# Allegro board 038RT-9068CJK8E-A100_0921.brd

Outline 690.59 x 488.44 mm; copper layers: TOP, L02_PLANE, L03_SIGNAL, L04_PLANE, L05_SIGNAL, L06_PLANE, L07_SIGNAL, L08_PLANE, L09_SIGNAL, L10_PLANE, L11_SIGNAL, L12_PLANE, L13_SIGNAL, L14_PLANE, L15_SIGNAL, L16_PLANE, L17_SIGNAL, L18_PLANE, L19_SIGNAL, L20_PLANE, L21_SIGNAL, L22_PLANE, L23_POWER, L24_RLY, L25_USER_PWR, L26_RLY, L27_POWER, L28_PLANE, L29_POWER, L30_POWER, L31_PLANE, L32_SIGNAL, L33_PLANE, L34_SIGNAL, L35_PLANE, L36_SIGNAL, L37_PLANE, L38_SIGNAL, L39_PLANE, L40_SIGNAL, L41_PLANE, L42_SIGNAL, L43_PLANE, L44_SIGNAL, L45_PLANE, L46_SIGNAL, L47_PLANE, BOTTOM. Coordinates in mm from the lower left corner of the outline.
Outline path: rectangle 0.3,0 690.3,488.44

## Design rules (mm)
net group DIFFPAIR31: nets SLOT2.CH108 SLOT2.CH109
net group DIFFPAIR32: nets SLOT2.CH46 SLOT2.CH47
net group DIFFPAIR33: nets SLOT2.CH42 SLOT2.CH43
net group DIFFPAIR34: nets SLOT1.CH20 SLOT1.CH21
net group S1_1_P7_HSO: nets S1_1_P7_HSO+ S1_1_P7_HSO-
net group S2_1_P7_HSO: nets S2_1_P7_HSO+ S2_1_P7_HSO-
net group S3_1_P7_HSO: nets S3_1_P7_HSO+ S3_1_P7_HSO-
net group SG0_3_P2_GIGA_MDI: nets SG0_3_P2_GIGA_MDI+ SG0_3_P2_GIGA_MDI-
net group SG1_3_P2_GIGA_MDI: nets SG1_3_P2_GIGA_MDI+ SG1_3_P2_GIGA_MDI-
net group SG2_3_P2_GIGA_MDI: nets SG2_3_P2_GIGA_MDI+ SG2_3_P2_GIGA_MDI-
net group SG3_3_P2_GIGA_MDI: nets SG3_3_P2_GIGA_MDI+ SG3_3_P2_GIGA_MDI-
net group RG1: nets SG0_P0_RXC SG0_P0_RXD0 SG0_P0_RXD1 SG0_P0_RXD2 SG0_P0_RXD3 SG0_P0_RXDV SG0_P0_TXC SG0_P0_TXD0 SG0_P0_TXD1 SG0_P0_TXD2 SG0_P0_TXD3 SG0_P0_TXEN
net group RG2: nets SG1_P0_RXC SG1_P0_RXD0 SG1_P0_RXD1 SG1_P0_RXD2 SG1_P0_RXD3 SG1_P0_RXDV SG1_P0_TXC SG1_P0_TXD0 SG1_P0_TXD1 SG1_P0_TXD2 SG1_P0_TXD3 SG1_P0_TXEN
net group RG3: nets SG2_P0_RXC SG2_P0_RXD0 SG2_P0_RXD1 SG2_P0_RXD2 SG2_P0_RXD3 SG2_P0_RXDV SG2_P0_TXC SG2_P0_TXD0 SG2_P0_TXD1 SG2_P0_TXD2 SG2_P0_TXD3 SG2_P0_TXEN
net group RG4: nets SG3_P0_RXC SG3_P0_RXD0 SG3_P0_RXD1 SG3_P0_RXD2 SG3_P0_RXD3 SG3_P0_RXDV SG3_P0_TXC SG3_P0_TXD0 SG3_P0_TXD1 SG3_P0_TXD2 SG3_P0_TXD3 SG3_P0_TXEN
net group SPI: nets SH01_SPICK SH01_SPICS SH01_SPIO2 SH01_SPIO3 SH01_SPISI SH01_SPISO

## Placement (name value [footprint] x y rotation side)
ATX1  ATX-12X2-MR  [CONN_ATX12X2_4P2MM_MOLEX]  10.81 453.03 90 bottom
ATX_PWCT  HDR-2X1-MR  [JP_2P_100_R90]  27.76 481.59 0 top
BD1  BD80-5A-S8-LA  [FB0805]  285.49 188.87 180 bottom
BD2  BD80-5A-S8-LA  [FB0805]  280.93 187.39 0 bottom
BD5  BD80-5A-S8-LA  [FB0805]  270.38 206.52 270 bottom
BD8  BD80-5A-S8-LA  [FB0805]  270.38 214.39 270 bottom
BD9  BD80-5A-S8-LA  [FB0805]  302.5 202.69 90 bottom
BD10  BD80-5A-S8-LA  [FB0805]  302.5 206.62 270 bottom
BD15  BD220-3A-S8  [FB0805]  231 218.76 180 bottom
BD16  BD220-3A-S8  [FB0805]  266.38 182.25 180 bottom
BD17  BD220-3A-S8  [FB0805]  303.72 182.25 180 bottom
BD18  BD220-3A-S8  [FB0805]  311.16 221.81 180 bottom
BD19  BD80-5A-S8-LA  [FB0805]  285.49 186.33 180 bottom
BD20  BD80-5A-S8-LA  [FB0805]  285.49 183.79 180 bottom
BDB1  BD80-5A-S8-LA  [FB0805]  322.18 58.22 270 top
BDB2  BD80-5A-S8-LA  [FB0805]  325.36 58.22 270 top
BDB3  BD80-5A-S8-LA  [FB0805]  325.36 53.64 270 top
BDB4  BD80-5A-S8-LA  [FB0805]  322.18 53.64 270 top
BDB5  BD80-5A-S8-LA  [FB0805]  325.36 49.07 270 top
BDB6  BD80-5A-S8-LA  [FB0805]  322.18 49.07 270 top
BDB7  BD80-5A-S8-LA  [FB0805]  325.36 44.5 270 top
BDB8  BD80-5A-S8-LA  [FB0805]  322.18 44.5 270 top
BDB23  BD220-3A-S8  [FB0805]  41.84 426.77 0 top
BDB24  BD220-3A-S8  [FB0805]  41.84 429.31 0 top
BDB25  BD220-3A-S8  [FB0805]  41.84 431.85 0 top
BDB26  BD220-3A-S8  [FB0805]  33.62 444.04 270 top
BDB27  BD220-3A-S8  [FB0805]  31.08 444.04 270 top
BDB28  BD220-3A-S8  [FB0805]  28.54 444.04 270 top
BDB29  BD220-3A-S8  [FB0805]  42.29 462.47 270 top
BDB30  BD220-3A-S8  [FB0805]  44.83 462.47 270 top
BDB31  BD220-3A-S8  [FB0805]  39.75 462.47 270 top
BDG1  BD80-5A-S8-LA  [FB0805]  109.94 207.3 270 bottom
BDG2  BD80-5A-S8-LA  [FB0805]  111.43 202.11 90 bottom
BDG5  BD80-5A-S8-LA  [FB0805]  92.3 190.79 0 bottom
BDG8  BD80-5A-S8-LA  [FB0805]  84.42 190.79 0 bottom
BDG9  BD80-5A-S8-LA  [FB0805]  96.42 223.42 180 bottom
BDG10  BD80-5A-S8-LA  [FB0805]  92.48 223.42 0 bottom
BDG15  BD220-3A-S8  [FB0805]  72.88 179.45 180 bottom
BDG16  BD220-3A-S8  [FB0805]  72.88 236.28 180 bottom
BDG17  BD220-3A-S8  [FB0805]  124.32 235.26 0 bottom
BDG18  BD220-3A-S8  [FB0805]  116.9 184.99 90 bottom
BDG19  BD80-5A-S8-LA  [FB0805]  112.48 207.3 270 bottom
BDG20  BD80-5A-S8-LA  [FB0805]  115.02 207.3 270 bottom
BDH11  BD80-5A-S8-LA  [FB0805]  215.44 194.08 0 bottom
BDH12  BD80-5A-S8-LA  [FB0805]  215.44 191.29 0 bottom
BDH13  BD80-5A-S8-LA  [FB0805]  252.05 196.55 180 bottom
BDH14  BD80-5A-S8-LA  [FB0805]  261.93 182.25 180 bottom
BDH21  BD80-5A-S8-LA  [FB0805]  243.85 57.38 270 bottom
BDH22  BD80-5A-S8-LA  [FB0805]  243.85 52.17 90 bottom
BDH23  BD80-5A-S8-LA  [FB0805]  305.83 57.38 270 bottom
BDH24  BD80-5A-S8-LA  [FB0805]  305.83 52.17 90 bottom
BST1  LM5022QDGSTQ1-1A-A-VSSOP10  [VSSOP10_173X05MM]  26.26 393.14 90 top
BST_P45V  HDR-3X1-MR  [JP_3P_100_R90]  15.1 419.74 180 top
C13  47U-35-Y-S6.1X5.3-MU  [CKRM55WR7YA476MH01]  139.21 32.25 90 top
C18  10U-16-X7R-S8-SS  [C0805]  136.21 45.77 0 top
C19  0.1U-16-X7R-S4-TY  [C0402]  135.76 43.55 0 top
C75  18P-50-N-S4-SS  [C0402]  85.84 218.98 180 bottom
C76  18P-50-N-S4-SS  [C0402]  83.81 218.98 0 bottom
C78  0.1U-100-X-S8  [C0805]  156.91 29.76 0 top
C79  NC/10U-100-Y-S6.1X5.3-MU  [CKRM55TR72A106MH01]  158.82 24.68 0 top
C119  1000P-2K-X-SA  [C1206]  49.51 109.07 90 top
C144  10U-16-X7R-S8-SS  [C0805]  42.66 229.6 180 bottom
C145  10U-16-X7R-S8-SS  [C0805]  30.08 236.49 0 bottom
C168  18P-50-N-S4-SS  [C0402]  319.03 214.33 90 bottom
C169  18P-50-N-S4-SS  [C0402]  319.03 212.13 270 bottom
C171  0.01U-50-X7R-S4-YA  [C0402]  57.76 141.31 90 top
C172  1000P-2K-X-SA  [C1206]  49.51 128.61 90 top
C173  10U-16-X7R-S8-SS  [C0805]  24.62 70.8 0 bottom
C174  0.1U-16-X7R-S4-TY  [C0402]  17.72 8.6 270 bottom
C175  0.01U-50-X7R-S4-YA  [C0402]  16.45 8.6 270 bottom
C176  1000P-50-N-S4-SS  [C0402]  22.08 40.96 270 bottom
C177  0.01U-50-X7R-S4-YA  [C0402]  19.54 40.96 270 bottom
C178  0.1U-16-X7R-S4-TY  [C0402]  20.81 40.96 270 bottom
C179  0.1U-50-X-S6  [C0603]  59.78 191.67 180 top
C180  0.1U-50-X-S6  [C0603]  59.78 193.07 180 top
C181  4700P-50-X7R-S4-YA  [C0402]  57.22 194.34 0 top
C182  4700P-50-X7R-S4-YA  [C0402]  57.22 190.4 0 top
C183  0.1U-50-X-S6  [C0603]  59.78 186.46 180 top
C184  0.1U-50-X-S6  [C0603]  59.78 187.86 180 top
C185  10U-16-X7R-S8-SS  [C0805]  137.02 214.03 0 bottom
C194  4700P-50-X7R-S4-YA  [C0402]  238.41 206.82 180 bottom
C195  0.1U-50-X-S6  [C0603]  243.12 206.82 180 bottom
C196  0.1U-50-X-S6  [C0603]  243.12 205.42 180 bottom
C197  4700P-50-X7R-S4-YA  [C0402]  250.6 201.86 0 bottom
C198  0.1U-50-X-S6  [C0603]  245.89 201.86 0 bottom
C199  0.1U-50-X-S6  [C0603]  245.89 203.27 0 bottom
C209  10U-16-X7R-S8-SS  [C0805]  21.13 84.14 270 bottom
C213  10U-16-X7R-S8-SS  [C0805]  251.27 182.08 0 bottom
C214  10U-16-X7R-S8-SS  [C0805]  229.05 182.08 0 bottom
C217  10U-16-X7R-S8-SS  [C0805]  137.02 197.88 0 bottom
C220  10U-16-X7R-S8-SS  [C0805]  21.13 125.41 90 bottom
C292  100U-35-E-S6.3X7.7-NI  [EC_6P3X7P7MM_S]  126.57 43.58 270 top
C319  0.01U-50-X7R-S4-YA  [C0402]  22.08 45.09 270 bottom
C320  0.1U-16-X7R-S4-TY  [C0402]  20.81 45.09 270 bottom
C321  1000P-50-N-S4-SS  [C0402]  19.54 73.34 270 bottom
C322  0.01U-50-X7R-S4-YA  [C0402]  22.08 73.34 270 bottom
C323  0.1U-16-X7R-S4-TY  [C0402]  20.81 73.34 270 bottom
C324  0.01U-50-X7R-S4-YA  [C0402]  57.76 121.77 90 top
C325  NC/100U-100-E-S17.2X17.2-PAN  [ECS_19P1X19P1MM]  32.4 11.57 270 top
C375  4700P-50-X7R-S4-YA  [C0402]  250.6 209.48 0 bottom
C376  0.1U-50-X-S6  [C0603]  245.89 209.48 0 bottom
C377  0.1U-50-X-S6  [C0603]  245.89 210.89 0 bottom
C379  4700P-50-X7R-S4-YA  [C0402]  238.41 214.44 180 bottom
C381  0.1U-50-X-S6  [C0603]  243.12 213.04 180 bottom
C383  0.1U-50-X-S6  [C0603]  243.12 214.44 180 bottom
C384  0.1U-50-X-S6  [C0603]  286.49 224.71 90 bottom
C385  0.1U-50-X-S6  [C0603]  287.9 224.71 90 bottom
C391  4700P-50-X-S6  [C0603]  285.64 230.56 180 bottom
C399  4700P-50-X7R-S4-YA  [C0402]  72.02 205.04 0 bottom
C401  0.1U-50-X-S6  [C0603]  74.57 199.07 180 bottom
C402  0.1U-50-X-S6  [C0603]  74.57 202.37 180 bottom
C405  0.1U-50-X-S6  [C0603]  74.57 197.67 180 bottom
C406  4700P-50-X7R-S4-YA  [C0402]  72.02 200.34 0 bottom
C407  0.1U-50-X-S6  [C0603]  74.57 203.77 180 bottom
C412  0.1U-50-X-S6  [C0603]  293.1 224.71 90 bottom
C413  0.1U-50-X-S6  [C0603]  294.5 224.71 90 bottom
C418  4700P-50-X-S6  [C0603]  292.25 230.56 180 bottom
C421  0.1U-50-X-S6  [C0603]  54.86 209.92 180 top
C422  0.1U-50-X-S6  [C0603]  54.86 211.32 180 top
C427  4700P-50-X-S6  [C0603]  48.22 209.92 180 top
C430  0.1U-50-X-S6  [C0603]  54.86 214.56 180 top
C431  0.1U-50-X-S6  [C0603]  54.86 215.96 180 top
C436  4700P-50-X-S6  [C0603]  48.22 214.56 180 top
C439  NC/4.7P-50-N-S4-MU  [C0402]  21.06 243.93 0 top
C440  NC/4.7P-50-N-S4-MU  [C0402]  14.06 243.93 0 top
C441  NC/4.7P-50-N-S4-MU  [C0402]  21.06 224.88 0 top
C442  NC/4.7P-50-N-S4-MU  [C0402]  14.06 224.88 0 top
CA1  220U-25-E-S11.2X10.5-NI  [ECS_10P3X10P3MM]  43.47 452.96 0 top
CA2  220U-25-E-S11.2X10.5-NI  [ECS_10P3X10P3MM]  42.39 439.55 90 top
CA3  220U-25-E-S11.2X10.5-NI  [ECS_10P3X10P3MM]  53.57 427.88 90 top
CA4  220U-25-E-S11.2X10.5-NI  [ECS_10P3X10P3MM]  43.47 471.66 180 top
CA5  220U-25-E-S11.2X10.5-NI  [ECS_10P3X10P3MM]  30.4 454.56 180 top
CA6  220U-25-E-S11.2X10.5-NI  [ECS_10P3X10P3MM]  29.9 428.85 180 top
CA11  220U-25-E-S11.2X10.5-NI  [ECS_10P3X10P3MM]  30.14 473.4 90 top
CB243  10U-25-X7R-SA  [C1206]  45.49 422.3 270 top
CB244  0.1U-50-X-S4-TDK  [C0402]  42.68 422.79 270 top
CB246  10U-16-X7R-S8-SS  [C0805]  23.87 441.13 180 top
CB247  0.1U-16-X7R-S4-TY  [C0402]  23.87 443.16 180 top
CB249  10U-16-X7R-S8-SS  [C0805]  47.37 462.47 90 top
CB250  0.1U-16-X7R-S4-TY  [C0402]  49.28 462.47 90 top
CB253  10U-25-X7R-SA  [C1206]  37.94 422.28 270 top
CB254  NC/0.1U-50-X-S4-TDK  [C0402]  40.85 422.79 270 top
CB256  10U-16-X7R-S8-SS  [C0805]  37.21 462.47 270 top
CB257  0.1U-16-X7R-S4-TY  [C0402]  35.28 462.61 270 top
CB259  10U-16-X7R-S8-SS  [C0805]  23.87 446.97 180 top
CB260  0.1U-16-X7R-S4-TY  [C0402]  23.87 444.94 180 top
CBB0  10U-25-X7R-SA  [C1206]  637.66 22.53 90 top
CBB1  10U-25-X7R-SA  [C1206]  634.87 22.53 90 top
CBB2  10U-25-X7R-SA  [C1206]  632.07 22.53 90 top
CBB3  10U-25-X7R-SA  [C1206]  629.28 22.53 90 top
CBB4  10U-25-X7R-SA  [C1206]  626.49 22.53 90 top
CBB5  10U-25-X7R-SA  [C1206]  623.69 22.53 90 top
CBB6  4.7U-100-X-SB-MU  [C1210]  620.17 22.22 90 top
CC1  560P-50-X7R-SA-YA  [C1206_H49]  27.53 386.47 180 top
CC2  0.15U-50-X7R-SA-KEMET  [C1206_H49]  27.53 383.61 180 top
CD1  0.1U-16-X7R-S4-TY  [C0402_UNBGA_V2]  284.1 208.62 0 bottom
CD2  0.1U-16-X7R-S4-TY  [C0402_UNBGA_V2]  284.9 207.82 0 bottom
CD3  0.1U-16-X7R-S4-TY  [C0402_UNBGA_V2]  284.9 207.02 0 bottom
CD4  0.1U-16-X7R-S4-TY  [C0402_UNBGA_V2]  284.9 206.22 0 bottom
CD5  0.1U-16-X7R-S4-TY  [C0402_UNBGA_V2]  284.9 205.42 0 bottom
CD6  0.1U-16-X7R-S4-TY  [C0402_UNBGA_V2]  286.1 203.42 270 bottom
CD7  2.2U-10-X7S-S4-MU  [C0402_UNBGA_V2]  286.9 203.42 270 bottom
CD8  2.2U-10-X7S-S4-MU  [C0402_UNBGA_V2]  284.5 211.42 270 bottom
CD9  0.1U-16-X7R-S4-TY  [C0402_UNBGA_V2]  286.1 205.02 90 bottom
CD10  0.1U-16-X7R-S4-TY  [C0402_UNBGA_V2]  284.5 209.82 90 bottom
CD11  0.1U-16-X7R-S4-TY  [C0402_UNBGA_V2]  285.3 209.02 270 bottom
CD12  0.1U-16-X7R-S4-TY  [C0402_UNBGA_V2]  285.3 211.42 270 bottom
CD13  0.1U-16-X7R-S4-TY  [C0402_UNBGA_V2]  285.3 203.42 270 bottom
CD14  0.1U-16-X7R-S4-TY  [C0402_UNBGA_V2]  286.1 209.02 270 bottom
CD15  0.1U-16-X7R-S4-TY  [C0402_UNBGA_V2]  285.53 194.75 180 bottom
CD16  2.2U-10-X7S-S4-MU  [C0402_UNBGA_V2]  280.1 207.82 0 bottom
CD17  0.1U-16-X7R-S4-TY  [C0402_UNBGA_V2]  279.7 206.62 270 bottom
CD18  2.2U-10-X7S-S4-MU  [C0402_UNBGA_V2]  286.9 211.42 270 bottom
CD19  0.1U-16-X7R-S4-TY  [C0402_UNBGA_V2]  285.53 193.92 180 bottom
CD20  10U-16-X7R-S8-SS  [C0805]  166.78 24.13 180 top
CD21  10U-16-X7R-S8-SS  [C0805]  171.86 43.18 180 top
CD22  47U-10-X7R-SB-MU  [C1210]  166.78 28.57 90 top
CD23  47U-10-X7R-SB-MU  [C1210]  171.86 28.57 90 top
CD24  NC/100U-16-T-SC  [CODE_C]  171.86 36.83 90 top
CD25  NC/100U-16-T-SC  [CODE_C]  166.78 36.83 90 top
CD26  0.1U-16-X7R-S4-TY  [C0402_UNBGA_V2]  288.9 211.02 180 bottom
CD27  0.1U-16-X7R-S4-TY  [C0402_UNBGA_V2]  284.1 213.42 0 bottom
CD28  0.1U-16-X7R-S4-TY  [C0402_UNBGA_V2]  283.7 211.42 90 bottom
CD29  0.1U-16-X7R-S4-TY  [C0402_UNBGA_V2]  283.7 200.22 90 bottom
CD30  0.1U-16-X7R-S4-TY  [C0402_UNBGA_V2]  286.9 209.82 90 bottom
CD31  0.1U-16-X7R-S4-TY  [C0402_UNBGA_V2]  290.5 210.22 0 bottom
CD32  0.1U-16-X7R-S4-TY  [C0402_UNBGA_V2]  288.9 210.22 180 bottom
CD33  0.1U-16-X7R-S4-TY  [C0402_UNBGA_V2]  286.1 200.22 90 bottom
CD34  0.1U-16-X7R-S4-TY  [C0402_UNBGA_V2]  287.7 201.82 90 bottom
CD35  0.1U-16-X7R-S4-TY  [C0402_UNBGA_V2]  281.3 200.22 90 bottom
CD36  0.1U-16-X7R-S4-TY  [C0402_UNBGA_V2]  287.7 209.82 90 bottom
CD37  0.1U-16-X7R-S4-TY  [C0402_UNBGA_V2]  286.9 201.02 90 bottom
CD38  0.1U-16-X7R-S4-TY  [C0402_UNBGA_V2]  288.9 211.82 180 bottom
CD39  2.2U-10-X7S-S4-MU  [C0402_UNBGA_V2]  288.5 201.82 90 bottom
CD40  2.2U-10-X7S-S4-MU  [C0402_UNBGA_V2]  290.1 211.42 90 bottom
CD41  2.2U-10-X7S-S4-MU  [C0402_UNBGA_V2]  280.5 200.22 90 bottom
CD42  0.1U-16-X7R-S4-TY  [C0402_UNBGA_V2]  282.9 201.02 90 bottom
CD43  2.2U-10-X7S-S4-MU  [C0402_UNBGA_V2]  280.1 210.22 180 bottom
CD44  0.1U-16-X7R-S4-TY  [C0402_UNBGA_V2]  285.3 200.22 90 bottom
CD45  10U-16-X7R-S8-SS  [C0805]  182.07 34.49 0 top
CD46  10U-16-X7R-S8-SS  [C0805]  182.07 37.01 0 top
CD47  47U-10-X7R-SB-MU  [C1210]  177.19 38.91 180 top
CD48  NC/100U-16-T-SC  [CODE_C]  178.84 29.51 180 top
CD49  47U-10-X7R-SB-MU  [C1210]  177.19 34.34 180 top
CD50  NC/100U-16-T-SC  [CODE_C]  178.84 25.07 180 top
CD51  0.1U-16-X7R-S4-TY  [C0402_UNBGA_V2]  290.5 208.62 0 bottom
CD52  0.1U-16-X7R-S4-TY  [C0402_UNBGA_V2]  287.7 212.22 270 bottom
CD53  0.1U-16-X7R-S4-TY  [C0402_UNBGA_V2]  290.5 209.42 0 bottom
CD54  0.1U-16-X7R-S4-TY  [C0402_UNBGA_V2]  290.9 212.22 270 bottom
CD55  0.1U-16-X7R-S4-TY  [C0402_UNBGA_V2]  281.3 211.42 90 bottom
CD56  0.1U-16-X7R-S4-TY  [C0402_UNBGA_V2]  282.1 211.42 90 bottom
CD57  2.2U-10-X7S-S4-MU  [C0402_UNBGA_V2]  288.5 213.02 90 bottom
CD58  0.1U-16-X7R-S4-TY  [C0402_UNBGA_V2]  282.9 211.42 90 bottom
CD59  0.1U-16-X7R-S4-TY  [C0402_UNBGA_V2]  288.9 208.62 180 bottom
CD60  0.1U-16-X7R-S4-TY  [C0402_UNBGA_V2]  289.3 201.02 270 bottom
CD61  2.2U-10-X7S-S4-MU  [C0402_UNBGA_V2]  286.5 212.62 180 bottom
CD62  2.2U-10-X7S-S4-MU  [C0402_UNBGA_V2]  280.1 211.02 180 bottom
CD63  2.2U-10-X7S-S4-MU  [C0402_UNBGA_V2]  291.7 212.22 270 bottom
CD64  2.2U-10-X7S-S4-MU  [C0402_UNBGA_V2]  284.5 201.02 270 bottom
CD65  2.2U-10-X7S-S4-MU  [C0402_UNBGA_V2]  288.9 209.42 180 bottom
CD66  2.2U-10-X7S-S4-MU  [C0402_UNBGA_V2]  280.1 211.82 180 bottom
CD67  2.2U-10-X7S-S4-MU  [C0402_UNBGA_V2]  290.1 201.02 270 bottom
CD68  0.1U-16-X7R-S4-TY  [C0402_UNBGA_V2]  282.1 209.82 270 bottom
CD69  2.2U-10-X7S-S4-MU  [C0402_UNBGA_V2]  285.7 210.22 180 bottom
CD70  2.2U-10-X7S-S4-MU  [C0402_UNBGA_V2]  285.3 201.82 90 bottom
CD71  0.1U-16-X7R-S4-TY  [C0402_UNBGA_V2]  282.9 209.82 270 bottom
CD72  0.1U-16-X7R-S4-TY  [C0402_UNBGA_V2]  281.7 208.62 0 bottom
CD73  0.1U-16-X7R-S4-TY  [C0402_UNBGA_V2]  283.7 209.82 90 bottom
CD74  10U-16-X7R-S8-SS  [C0805]  266.09 202.71 270 bottom
CD75  10U-16-X7R-S8-SS  [C0805]  323.86 24.38 180 top
CD76  47U-10-X7R-SB-MU  [C1210]  328.94 28.83 90 top
CD77  NC/100U-16-T-SC  [CODE_C]  328.94 37.08 90 top
CD78  47U-10-X7R-SB-MU  [C1210]  334.02 28.83 90 top
CD79  NC/100U-16-T-SC  [CODE_C]  334.02 37.08 90 top
CD80  1U-16-X-S6-TY  [C0603]  285.52 192.77 180 bottom
CD81  10U-16-X7R-S8-SS  [C0805]  285.49 191.02 180 bottom
CD82  1U-16-X-S6-TY  [C0603]  280.93 191.29 0 bottom
CD83  0.1U-16-X7R-S4-TY  [C0402_UNBGA_V2]  288.1 204.62 0 bottom
CD84  0.1U-16-X7R-S4-TY  [C0402_UNBGA_V2]  287.7 203.42 270 bottom
CD85  0.1U-16-X7R-S4-TY  [C0402_UNBGA_V2]  288.5 203.42 270 bottom
CD86  10U-16-X7R-S8-SS  [C0805]  280.9 189.53 0 bottom
CD87  1U-16-X-S6-TY  [C0603]  274.28 202.7 90 bottom
CD88  10U-16-X7R-S8-SS  [C0805]  272.53 202.73 90 bottom
CD89  0.1U-16-X7R-S4-TY  [C0402_UNBGA_V2]  295.15 190.4 180 bottom
CD90  1U-16-X-S6-TY  [C0603]  274.28 206.51 270 bottom
CD91  0.1U-16-X7R-S4-TY  [C0402_UNBGA_V2]  288.1 200.59 180 bottom
CD92  0.1U-16-X7R-S4-TY  [C0402_UNBGA_V2]  290.9 204.22 90 bottom
CD93  10U-16-X7R-S8-SS  [C0805]  334.02 24.38 180 top
CD94  10U-16-X7R-S8-SS  [C0805]  295.13 181.7 0 bottom
CD95  47U-10-X7R-SB-MU  [C1210]  318.68 45.09 90 top
CD96  10U-16-X7R-S8-SS  [C0805]  272.53 206.54 270 bottom
CD97  47U-10-X7R-SB-MU  [C1210]  318.68 51.44 90 top
CD98  1U-16-X-S6-TY  [C0603]  291.11 191.32 180 bottom
CD99  10U-16-X7R-S8-SS  [C0805]  291.08 189.57 180 bottom
CD100  1U-16-X-S6-TY  [C0603]  295.14 189.26 180 bottom
CD104  1U-16-X-S6-TY  [C0603]  274.28 214.38 270 bottom
CD105  10U-16-X7R-S8-SS  [C0805]  272.53 214.41 270 bottom
CD106  1U-16-X-S6-TY  [C0603]  298.6 202.7 90 bottom
CD107  10U-16-X7R-S8-SS  [C0805]  300.35 202.67 90 bottom
CD108  10U-16-X7R-S8-SS  [C0805]  275.58 189.53 180 bottom
CD109  1U-16-X-S6-TY  [C0603]  285.49 181.57 0 bottom
CD110  1U-16-X-S6-TY  [C0603]  280.93 185.5 180 bottom
CD111  1U-16-X-S6-TY  [C0603]  268.11 202.71 270 bottom
CD112  1U-16-X-S6-TY  [C0603]  295.13 183.46 0 bottom
CD113  1U-10-X7R-S8  [C0805]  268.11 206.52 90 bottom
CD114  22U-10-X7S-S8-TDK  [C0805]  272.25 210.13 180 bottom
CD115  10U-16-X7R-S8-SS  [C0805]  266.09 206.52 90 bottom
CD116  10U-16-X7R-S8-SS  [C0805]  328.94 24.38 180 top
CD117  NC/100U-16-T-SC  [CODE_C]  328.94 52.96 90 top
CD118  47U-10-X7R-SB-MU  [C1210]  334.02 44.7 90 top
CD119  47U-10-X7R-SB-MU  [C1210]  328.94 44.7 90 top
CD120  NC/100U-16-T-SC  [CODE_C]  334.02 52.96 90 top
CD121  10U-16-X7R-S8-SS  [C0805]  313.7 24.38 180 top
CD122  10U-16-X7R-S8-SS  [C0805]  308.62 24.38 180 top
CD123  47U-10-X7R-SB-MU  [C1210]  313.7 28.83 90 top
CD124  NC/100U-16-T-SC  [CODE_C]  308.62 37.08 90 top
CD125  47U-10-X7R-SB-MU  [C1210]  308.62 28.83 90 top
CD126  NC/100U-16-T-SC  [CODE_C]  313.7 37.08 90 top
CD127  0.1U-16-X7R-S4-TY  [C0402_UNBGA_V2]  282.5 205.42 180 bottom
CD128  0.1U-16-X7R-S4-TY  [C0402_UNBGA_V2]  284.1 203.02 180 bottom
CD129  0.1U-16-X7R-S4-TY  [C0402_UNBGA_V2]  282.1 202.62 90 bottom
CD130  0.1U-16-X7R-S4-TY  [C0402_UNBGA_V2]  282.1 204.22 270 bottom
CD131  0.1U-16-X7R-S4-TY  [C0402_UNBGA_V2]  279.7 204.22 270 bottom
CD132  0.1U-16-X7R-S4-TY  [C0402_UNBGA_V2]  279.7 202.62 270 bottom
CD133  0.1U-16-X7R-S4-TY  [C0402_UNBGA_V2]  279.7 201.02 270 bottom
CD134  2.2U-10-X7S-S4-MU  [C0402_UNBGA_V2]  282.1 201.02 270 bottom
CD135  1U-16-X-S6-TY  [C0603]  275.6 183.46 0 bottom
CD136  2.2U-10-X7S-S4-MU  [C0402_UNBGA_V2]  277.7 209.42 180 bottom
CD137  0.1U-16-X7R-S4-TY  [C0402_UNBGA_V2]  279.3 209.42 0 bottom
CD138  0.1U-16-X7R-S4-TY  [C0402_UNBGA_V2]  277.3 213.02 90 bottom
CD139  0.1U-16-X7R-S4-TY  [C0402_UNBGA_V2]  278.5 212.62 0 bottom
CD140  1U-16-X-S6-TY  [C0603]  298.6 206.64 270 bottom
CD141  10U-16-X7R-S8-SS  [C0805]  300.35 206.61 270 bottom
CD142  10U-16-X7R-S8-SS  [C0805]  295.11 187.5 180 bottom
CD143  1U-16-X-S6-TY  [C0603]  275.61 191.29 180 bottom
CD144  1U-16-X-S6-TY  [C0603]  268.11 214.39 90 bottom
CD145  2.2U-10-X7S-S4-MU  [C0402_UNBGA_V2]  292.9 202.22 0 bottom
CD146  0.1U-16-X7R-S4-TY  [C0402_UNBGA_V2]  297.46 202.71 90 bottom
CD147  0.1U-16-X7R-S4-TY  [C0402_UNBGA_V2]  290.9 202.62 90 bottom
CD148  0.1U-16-X7R-S4-TY  [C0402_UNBGA_V2]  291.3 201.42 180 bottom
CD149  1U-16-X-S6-TY  [C0603]  304.39 202.69 270 bottom
CD150  2.2U-10-X7S-S4-MU  [C0402_UNBGA_V2]  292.9 207.82 0 bottom
CD151  0.1U-16-X7R-S4-TY  [C0402_UNBGA_V2]  291.3 207.82 180 bottom
CD152  0.1U-16-X7R-S4-TY  [C0402_UNBGA_V2]  291.3 211.02 180 bottom
CD154  1U-16-X-S6-TY  [C0603]  304.39 206.62 90 bottom
CD155  10U-16-X7R-S8-SS  [C0805]  291.09 183.76 0 bottom
CD156  10U-16-X7R-S8-SS  [C0805]  318.78 24.38 180 top
CD157  NC/100U-16-T-SC  [CODE_C]  318.78 37.08 90 top
CD158  47U-10-X7R-SB-MU  [C1210]  318.78 28.83 90 top
CD159  47U-10-X7R-SB-MU  [C1210]  323.86 28.83 90 top
CD160  NC/100U-16-T-SC  [CODE_C]  323.86 37.08 90 top
CD161  2.2U-10-X7S-S4-MU  [C0402_UNBGA_V2]  286.5 207.82 180 bottom
CD162  0.1U-16-X7R-S4-TY  [C0402_UNBGA_V2]  286.5 207.02 180 bottom
CD163  0.1U-16-X7R-S4-TY  [C0402_UNBGA_V2]  282.5 207.02 180 bottom
CD164  0.1U-16-X7R-S4-TY  [C0402_UNBGA_V2]  282.5 206.22 180 bottom
CD165  0.1U-16-X7R-S4-TY  [C0402_UNBGA_V2]  288.1 207.02 0 bottom
CD166  0.1U-16-X7R-S4-TY  [C0402_UNBGA_V2]  288.1 207.82 0 bottom
CD167  1U-16-X-S6-TY  [C0603]  291.09 185.53 0 bottom
CD168  22U-10-X7S-S8-TDK  [C0805]  231 222.25 180 bottom
CD169  10U-16-X7R-S8-SS  [C0805]  171.86 24.13 180 top
CD170  10U-16-X7R-S8-SS  [C0805]  166.78 43.18 180 top
CD171  47U-10-X7R-SB-MU  [C1210]  171.86 47.62 90 top
CD172  NC/100U-16-T-SC  [CODE_C]  166.78 55.88 90 top
CD173  47U-10-X7R-SB-MU  [C1210]  166.78 47.62 90 top
CD174  NC/100U-16-T-SC  [CODE_C]  171.86 55.88 90 top
CD175  0.1U-16-X7R-S4-TY  [C0402]  189.48 241.24 90 bottom
CD176  0.1U-16-X7R-S4-TY  [C0402]  200.09 241.24 90 bottom
CD177  0.1U-16-X7R-S4-TY  [C0402]  210.66 241.24 90 bottom
CD178  10U-16-X7R-S8-SS  [C0805]  280.93 181.7 180 bottom
CD179  10U-16-X7R-S8-SS  [C0805]  280.93 183.73 180 bottom
CD180  10U-16-X7R-S8-SS  [C0805]  275.6 181.7 0 bottom
CD181  10U-16-X7R-S8-SS  [C0805]  266.09 214.39 90 bottom
CD182  10U-16-X7R-S8-SS  [C0805]  306.3 202.69 270 bottom
CD183  10U-16-X7R-S8-SS  [C0805]  306.3 206.62 90 bottom
CF1  0.1U-50-X-S4-TDK  [C0402]  30.53 386.49 270 top
CG1  0.1U-16-X7R-S4-TY  [C0402_UNBGA_V2]  90.2 205.02 90 bottom
CG2  0.1U-16-X7R-S4-TY  [C0402_UNBGA_V2]  91 205.82 90 bottom
CG3  0.1U-16-X7R-S4-TY  [C0402_UNBGA_V2]  91.8 205.82 90 bottom
CG4  0.1U-16-X7R-S4-TY  [C0402_UNBGA_V2]  92.6 205.82 90 bottom
CG5  0.1U-16-X7R-S4-TY  [C0402_UNBGA_V2]  93.4 205.82 90 bottom
CG6  0.1U-16-X7R-S4-TY  [C0402_UNBGA_V2]  95.4 207.02 0 bottom
CG7  2.2U-10-X7S-S4-MU  [C0402_UNBGA_V2]  95.4 207.82 0 bottom
CG8  2.2U-10-X7S-S4-MU  [C0402_UNBGA_V2]  87.4 205.42 0 bottom
CG9  0.1U-16-X7R-S4-TY  [C0402_UNBGA_V2]  93.8 207.02 180 bottom
CG10  0.1U-16-X7R-S4-TY  [C0402_UNBGA_V2]  89 205.42 180 bottom
CG11  0.1U-16-X7R-S4-TY  [C0402_UNBGA_V2]  89.8 206.22 0 bottom
CG12  0.1U-16-X7R-S4-TY  [C0402_UNBGA_V2]  87.4 206.22 0 bottom
CG13  0.1U-16-X7R-S4-TY  [C0402_UNBGA_V2]  95.4 206.22 0 bottom
CG14  0.1U-16-X7R-S4-TY  [C0402_UNBGA_V2]  89.8 207.02 0 bottom
CG15  0.1U-16-X7R-S4-TY  [C0402_UNBGA_V2]  104.07 207.34 270 bottom
CG16  2.2U-10-X7S-S4-MU  [C0402_UNBGA_V2]  91 201.02 90 bottom
CG17  0.1U-16-X7R-S4-TY  [C0402_UNBGA_V2]  92.2 200.62 0 bottom
CG18  2.2U-10-X7S-S4-MU  [C0402_UNBGA_V2]  87.4 207.82 0 bottom
CG19  0.1U-16-X7R-S4-TY  [C0402_UNBGA_V2]  104.9 207.34 270 bottom
CG20  10U-16-X7R-S8-SS  [C0805]  73.52 142.88 180 top
CG21  10U-16-X7R-S8-SS  [C0805]  79.87 142.88 180 top
CG22  47U-10-X7R-SB-MU  [C1210]  73.52 138.43 270 top
CG23  47U-10-X7R-SB-MU  [C1210]  79.87 138.43 270 top
CG24  NC/100U-16-T-SC  [CODE_C]  79.87 130.18 270 top
CG25  NC/100U-16-T-SC  [CODE_C]  73.52 130.18 270 top
CG26  0.1U-16-X7R-S4-TY  [C0402_UNBGA_V2]  88.6 201.02 270 bottom
CG27  0.1U-16-X7R-S4-TY  [C0402_UNBGA_V2]  85.4 205.02 90 bottom
CG28  0.1U-16-X7R-S4-TY  [C0402_UNBGA_V2]  87.4 204.62 180 bottom
CG29  0.1U-16-X7R-S4-TY  [C0402_UNBGA_V2]  98.6 201.42 180 bottom
CG30  0.1U-16-X7R-S4-TY  [C0402_UNBGA_V2]  89 207.82 180 bottom
CG31  0.1U-16-X7R-S4-TY  [C0402_UNBGA_V2]  88.6 211.42 90 bottom
CG32  0.1U-16-X7R-S4-TY  [C0402_UNBGA_V2]  87.4 211.02 180 bottom
CG33  0.1U-16-X7R-S4-TY  [C0402_UNBGA_V2]  97 209.42 180 bottom
CG34  0.1U-16-X7R-S4-TY  [C0402_UNBGA_V2]  97 208.62 180 bottom
CG35  0.1U-16-X7R-S4-TY  [C0402_UNBGA_V2]  98.6 202.22 180 bottom
CG36  0.1U-16-X7R-S4-TY  [C0402_UNBGA_V2]  89 208.62 180 bottom
CG37  0.1U-16-X7R-S4-TY  [C0402_UNBGA_V2]  97.8 207.82 180 bottom
CG38  0.1U-16-X7R-S4-TY  [C0402_UNBGA_V2]  87 209.82 270 bottom
CG39  2.2U-10-X7S-S4-MU  [C0402_UNBGA_V2]  98.6 207.02 180 bottom
CG40  2.2U-10-X7S-S4-MU  [C0402_UNBGA_V2]  88.6 209.82 270 bottom
CG41  2.2U-10-X7S-S4-MU  [C0402_UNBGA_V2]  98.6 204.62 180 bottom
CG42  0.1U-16-X7R-S4-TY  [C0402_UNBGA_V2]  97.8 203.82 180 bottom
CG43  2.2U-10-X7S-S4-MU  [C0402_UNBGA_V2]  87.8 209.82 270 bottom
CG44  0.1U-16-X7R-S4-TY  [C0402_UNBGA_V2]  98.6 206.22 180 bottom
CG45  10U-16-X7R-S8-SS  [C0805]  73.52 166.37 180 top
CG46  10U-16-X7R-S8-SS  [C0805]  79.87 166.37 180 top
CG47  47U-10-X7R-SB-MU  [C1210]  73.52 161.29 270 top
CG48  NC/100U-16-T-SC  [CODE_C]  73.52 153.03 270 top
CG49  47U-10-X7R-SB-MU  [C1210]  79.87 161.29 270 top
CG50  NC/100U-16-T-SC  [CODE_C]  79.87 153.03 270 top
CG51  0.1U-16-X7R-S4-TY  [C0402_UNBGA_V2]  90.2 211.42 90 bottom
CG52  0.1U-16-X7R-S4-TY  [C0402_UNBGA_V2]  86.6 208.62 0 bottom
CG53  0.1U-16-X7R-S4-TY  [C0402_UNBGA_V2]  89.4 211.42 90 bottom